# KiCad board omodri_laas.kicad_pcb
title: Open MOtor DRiver Initiative (OMODRI); date: 2022-11-24; rev: 2.0; company: LAAS/CNRS
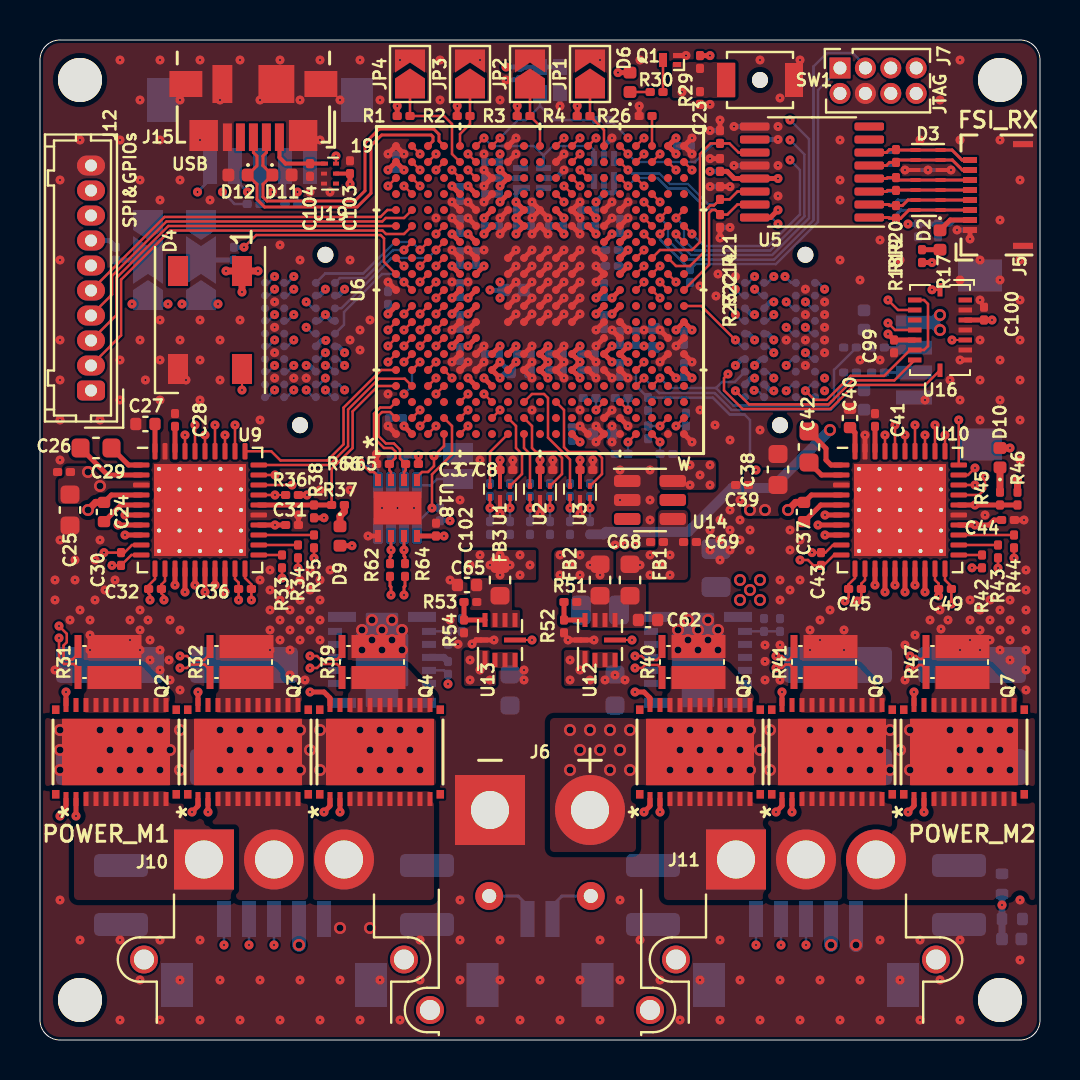
[diagram p0: board, top side]
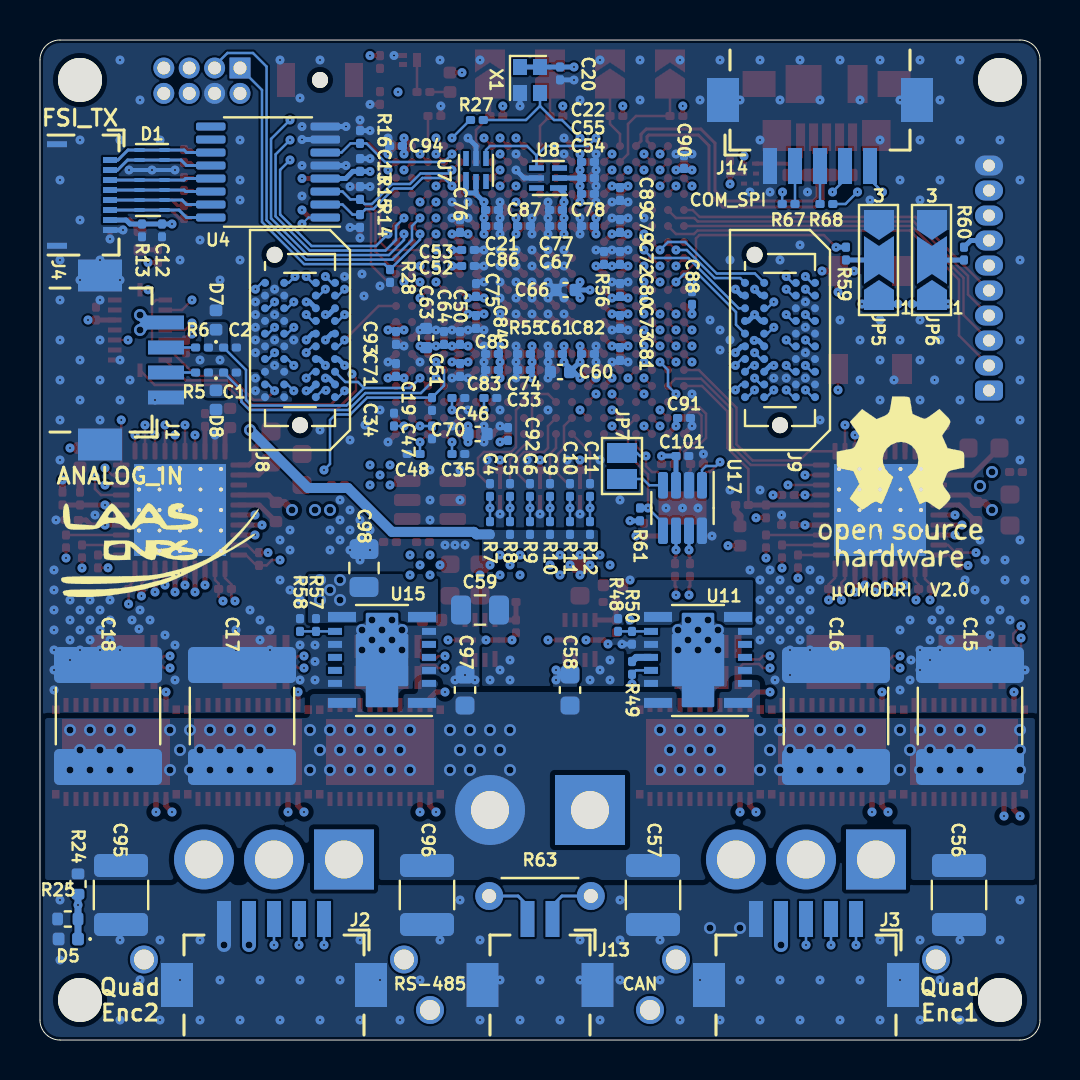
[diagram p1: board, bottom side, seen from below]

Outline 50 x 50 mm; copper layers: Top, In1_GND.Cu (plane), In2_sig.Cu, In3_sig.Cu, In4_PWR.Cu (plane), Bottom. Coordinates in mm from the lower left corner of the outline.
Outline path: 0,49 arc(0.29,49.71) 1,50 49,50 arc(49.71,49.71) 50,49 50,1 arc(49.71,0.29) 49,0 1,0 arc(0.29,0.29) 0,1 0,49
Stack: Top 0.035mm / dielectric 0.274mm FR4 er 4.5 / In1_GND.Cu 0.035mm / dielectric 0.274mm FR4 er 4.5 / In2_sig.Cu 0.035mm / dielectric 0.274mm FR4 er 4.5 / In3_sig.Cu 0.035mm / dielectric 0.274mm FR4 er 4.5 / In4_PWR.Cu 0.035mm / dielectric 0.274mm FR4 er 4.5 / Bottom 0.035mm

## Placement (name value [footprint] x y rotation side)
C1  220nF  [C_0201_0603Metric]  40.5 33.38 180 bottom
C2  220nF  [C_0201_0603Metric]  40.5 34.62 180 bottom
C3  100nF  [C_0201_0603Metric]  23.32 28.5 0 top
C4  1.8nF  [C_0201_0603Metric]  27.5 27.5 90 bottom
C5  1.8nF  [C_0201_0603Metric]  26.5 27.5 90 bottom
C6  1.8nF  [C_0201_0603Metric]  25.5 27.5 90 bottom
C7  100nF  [C_0201_0603Metric]  25.32 28.5 0 top
C8  100nF  [C_0201_0603Metric]  27.32 28.5 0 top
C9  1.8nF  [C_0201_0603Metric]  24.5 27.5 90 bottom
C10  1.8nF  [C_0201_0603Metric]  23.5 27.5 90 bottom
C11  1.8nF  [C_0201_0603Metric]  22.5 27.5 90 bottom
C12  100nF  [C_0201_0603Metric]  43.9 40.48 270 bottom
C13  100nF  [C_0201_0603Metric]  34 43.75 90 bottom
C14  100nF  [C_0201_0603Metric]  34 43.75 90 top
C15  22uF  [C_2220_5650Metric]  3.5 16.2 90 bottom
C16  22uF  [C_2220_5650Metric]  10.2 16.2 90 bottom
C17  22uF  [C_2220_5650Metric]  39.9 16.2 90 bottom
C18  22uF  [C_2220_5650Metric]  46.6 16.2 90 bottom
C19  100nF  [C_0201_0603Metric]  30.4 31.8 270 bottom
C20  100nF  [C_0201_0603Metric]  24 48.33 270 bottom
C21  100nF  [C_0201_0603Metric]  27.4 41.5 180 bottom
C22  100nF  [C_0201_0603Metric]  22.6 43.9 180 bottom
C23  100nF  [C_0201_0603Metric]  33 47.1 270 top
C24  1uF  [C_0402_1005Metric]  3.2 26.4 270 top
C25  10uF  [C_0603_1608Metric]  1.5 26.5 270 top
C26  100nF  [C_0201_0603Metric]  1.2 28.4 180 top
C27  1uF  [C_0402_1005Metric]  5.27 30.8 0 top
C28  1uF  [C_0201_0603Metric]  6.75 31 90 top
C29  47nF  [C_0603_1608Metric]  2.8 29.6 0 top
C30  1.8nF  [C_0201_0603Metric]  4.05 24.05 270 top
C31  100nF  [C_0201_0603Metric]  12.6 25.75 0 top
C32  1.8nF  [C_0201_0603Metric]  5.75 22.55 180 top
C33  1.8nF  [C_0201_0603Metric]  27.48 32.1 180 bottom
C34  1.8nF  [C_0201_0603Metric]  32.3 31.02 90 bottom
C35  1.8nF  [C_0201_0603Metric]  29.08 29.3 180 bottom
C36  1.8nF  [C_0201_0603Metric]  10.25 22.55 0 top
C37  1uF  [C_0402_1005Metric]  38.2 26.4 270 top
C38  10uF  [C_0603_1608Metric]  36.9 28.53 90 top
C39  100nF  [C_0201_0603Metric]  35.1 27.75 180 top
C40  1uF  [C_0402_1005Metric]  40.5 31.1 270 top
C41  1uF  [C_0201_0603Metric]  41.75 31 90 top
C42  47nF  [C_0603_1608Metric]  38.45 29.65 90 top
C43  1.8nF  [C_0201_0603Metric]  39.05 24.05 270 top
C44  100nF  [C_0201_0603Metric]  48.4 26 0 top
C45  1.8nF  [C_0201_0603Metric]  40.75 22.55 180 top
C46  1.8nF  [C_0201_0603Metric]  29.08 32.1 180 bottom
C47  1.8nF  [C_0201_0603Metric]  30.4 30.38 270 bottom
C48  1.8nF  [C_0201_0603Metric]  31.32 29.3 0 bottom
C49  1.8nF  [C_0201_0603Metric]  45.25 22.55 0 top
C50  100nF  [C_0201_0603Metric]  29 35.1 90 bottom
C51  100nF  [C_0201_0603Metric]  29 33.5 270 bottom
C52  100nF  [C_0201_0603Metric]  28.6 38.7 180 bottom
C53  100nF  [C_0201_0603Metric]  28.6 39.5 180 bottom
C54  100nF  [C_0201_0603Metric]  22.6 42.3 180 bottom
C55  100nF  [C_0201_0603Metric]  22.6 43.1 180 bottom
C56  10uF  [C_1210_3225Metric]  4.05 7.25 270 bottom
C57  10uF  [C_1210_3225Metric]  19.35 7.25 270 bottom
C58  100nF  [C_0603_1608Metric]  23.5 17.5 90 bottom
C59  22uF  [C_0805_2012Metric]  28 21.5 0 bottom
C60  10uF  [C_0402_1005Metric]  24 33.4 0 bottom
C61  1uF  [C_0201_0603Metric]  24.2 34.3 0 bottom
C62  10uF  [C_0402_1005Metric]  30.4 21 0 top
C63  10uF  [C_0402_1005Metric]  30.7 35.1 90 bottom
C64  1uF  [C_0201_0603Metric]  29.8 35.1 90 bottom
C65  10uF  [C_0402_1005Metric]  21.35 22.75 180 top
C66  10uF  [C_0402_1005Metric]  23.72 37.5 0 bottom
C67  1uF  [C_0201_0603Metric]  24.2 40.7 0 bottom
C68  1uF  [C_0201_0603Metric]  30.85 24.9 180 top
C69  100nF  [C_0201_0603Metric]  32.5 24.9 0 top
C70  10uF  [C_0402_1005Metric]  28.12 30.3 180 bottom
C71  1uF  [C_0201_0603Metric]  32.2 33.5 90 bottom
C72  100nF  [C_0201_0603Metric]  21 39.1 90 bottom
C73  100nF  [C_0201_0603Metric]  21 35.9 270 bottom
C74  100nF  [C_0201_0603Metric]  25.8 33.5 0 bottom
C75  100nF  [C_0201_0603Metric]  28.2 37.5 90 bottom
C76  100nF  [C_0201_0603Metric]  29 40.7 90 bottom
C77  100nF  [C_0201_0603Metric]  24.2 41.5 0 bottom
C78  100nF  [C_0201_0603Metric]  22.6 40.7 0 bottom
C79  100nF  [C_0201_0603Metric]  21 40.7 90 bottom
C80  100nF  [C_0201_0603Metric]  21 37.5 90 bottom
C81  100nF  [C_0201_0603Metric]  21 34.3 270 bottom
C82  100nF  [C_0201_0603Metric]  22.6 34.3 180 bottom
C83  100nF  [C_0201_0603Metric]  27.4 33.5 0 bottom
C84  100nF  [C_0201_0603Metric]  28.2 35.9 270 bottom
C85  100nF  [C_0201_0603Metric]  27.4 34.3 0 bottom
C86  100nF  [C_0201_0603Metric]  27.4 40.7 180 bottom
C87  100nF  [C_0201_0603Metric]  25.8 40.7 180 bottom
C88  100nF  [C_0201_0603Metric]  17.4 37.1 90 bottom
C89  100nF  [C_0201_0603Metric]  21 42.3 270 bottom
C90  100nF  [C_0201_0603Metric]  17.8 43.9 90 bottom
C91  100nF  [C_0201_0603Metric]  17.8 31.1 180 bottom
C92  100nF  [C_0201_0603Metric]  26.6 30.3 90 bottom
C93  100nF  [C_0201_0603Metric]  32.2 35.1 270 bottom
C94  100nF  [C_0201_0603Metric]  32.2 44.7 0 bottom
C95  10uF  [C_1210_3225Metric]  45.95 7.25 270 bottom
C96  10uF  [C_1210_3225Metric]  30.65 7.25 270 bottom
C97  100nF  [C_0603_1608Metric]  28.75 17.5 90 bottom
C98  22uF  [C_0805_2012Metric]  33.8 23.6 90 bottom
C99  100nF  [C_0201_0603Metric]  42.7 34.68 270 top
C100  100nF  [C_0201_0603Metric]  47.2 36.32 90 top
C101  100nF  [C_0201_0603Metric]  17.88 29.2 180 bottom
C102  100nF  [C_0201_0603Metric]  19.8 25.52 90 top
C103  100nF  [C_0201_0603Metric]  15.5 43.64 90 top
C104  100nF  [C_0201_0603Metric]  13.5 43.5 90 top
D1  TPD6E05U06  [USON_14]  44.4 43 0 bottom
D2  BAT54L  [D_0402_1005Metric]  45 40 270 top
D3  TPD6E05U06  [USON_14]  44.4 43 180 top
D4  WS2812B  [LED_WS2812B_PLCC4_5.0x5.0mm_P3.2mm]  8.5 36 270 top
D5  TPD1E04U04  [D_0402_1005Metric]  48.59 5.05 0 bottom
D6  LED GREEN  [LED_0402_1005Metric]  29.5 47.88 90 top
D7  TPD1E04U04  [D_0402_1005Metric]  41.2 36 90 bottom
D8  TPD1E04U04  [D_0402_1005Metric]  41.2 32 270 bottom
D9  LED RED  [LED_0402_1005Metric]  15 25.2 270 top
D10  LED RED  [LED_0402_1005Metric]  48 29.11 90 top
D11  ESD321  [D_0402_1005Metric]  12.1 43.25 0 top
D12  ESD321  [D_0402_1005Metric]  9.9 43.25 180 top
FB1  220R@100MHz  [L_0603_1608Metric]  28 23 90 top
FB2  220R@100MHz  [L_0603_1608Metric]  29.5 23 90 top
FB3  220R@100MHz  [L_0603_1608Metric]  23 23 90 top
G1  SYM_LAAS  [logo_laas]  43.95 24.83 180 bottom
G2  SYM_PROJECT  [logo_OpenHardware]  7 28 180 bottom
H1  MountingHole  [MountingHole_2.2mm_M2]  2 2 0 top
H2  MountingHole  [MountingHole_2.2mm_M2]  48 48 0 top
H3  MountingHole  [MountingHole_2.2mm_M2]  2 48 0 top
H4  MountingHole  [MountingHole_2.2mm_M2]  48 2 0 top
J1  conn_01x04_MountingPins  [Hirose_DF13_04P-1.25H_1x05_P1.25mm_Right_angle]  47 34 90 bottom
J2  conn_01x05_MountingPins  [Hirose_DF13_05P-1.25H_1x05_P1.25mm_Right_angle]  38.3 2.75 0 bottom
J3  conn_01x05_MountingPins  [Hirose_DF13_05P-1.25H_1x05_P1.25mm_Right_angle]  11.7 2.75 0 bottom
J4  conn_01x08_MountingPins  [Molex_FBH1_1x08-2MP_P0.50mm_Horizontal]  49.8 42.25 270 bottom
J5  conn_01x08_MountingPins  [Molex_FBH1_1x08-2MP_P0.50mm_Horizontal]  49.8 42.25 90 top
J6  Conn_01x02  [AMASS_XT30PW-M_1x02_P2.50mm_Horizontal]  25 11.5 180 top
J7  Conn_02x04_Odd_Even  [PinSocket_2x04_P1.27mm_Vertical]  40 48.6 90 top
J8  ADM6_ADF6  [ADF6-10-XX.X-XXX-4-X-A-XR]  37 35 90 bottom
J9  ADM6_ADF6  [ADF6-10-XX.X-XXX-4-X-A-XR]  13 35 90 bottom
J10  Conn_01x03  [AMASS_MR30PW-FB_1x03_P3.50mm_Horizontal]  11.7 9.03 180 top
J11  Conn_01x03  [AMASS_MR30PW-FB_1x03_P3.50mm_Horizontal]  38.3 9.03 180 top
J12  Conn_01x10  [Hirose_DF13-10P-1.25DSA_1x10_P1.25mm_Vertical]  2.55 32.47 90 top
J13  conn_01x02_MountingPins  [Hirose_DF13_02P-1.25H_1x02_P1.25mm_Right_angle]  25 2.75 0 bottom
J14  conn_01x05_MountingPins  [Hirose_DF13_05P-1.25H_1x05_P1.25mm_Right_angle]  11 47 180 bottom
J15  USB_B_Micro  [USB_Micro-B_Molex_47346-0001]  10.67 46.6 180 top
JP1  SolderJumper_2_Open  [SolderJumper-2_P1.3mm_Open_TrianglePad1.0x1.5mm]  27.5 48.3 90 top
JP2  SolderJumper_2_Open  [SolderJumper-2_P1.3mm_Open_TrianglePad1.0x1.5mm]  24.5 48.3 90 top
JP3  SolderJumper_2_Open  [SolderJumper-2_P1.3mm_Open_TrianglePad1.0x1.5mm]  21.5 48.3 90 top
JP4  SolderJumper_2_Open  [SolderJumper-2_P1.3mm_Open_TrianglePad1.0x1.5mm]  18.5 48.3 90 top
JP5  SolderJumper_3_Open  [SolderJumper-3_P2.0mm_Open_TrianglePad1.0x1.5mm_NumberLabels]  8.05 39 90 bottom
JP6  SolderJumper_3_Open  [SolderJumper-3_P2.0mm_Open_TrianglePad1.0x1.5mm_NumberLabels]  5.4 39 90 bottom
JP7  SolderJumper_2_Open  [SolderJumper-2_P1.3mm_Open_Pad1.0x1.5mm]  20.9 28.7 270 bottom
Q1  NX7002BKM  [Diodes_DFN1006-3]  31.5 49 180 top
Q2  CSD88599Q5DC  [VSON_CLIP_22]  3.8 14.4 90 top
Q3  CSD88599Q5DC  [VSON_CLIP_22]  10.4 14.4 90 top
Q4  CSD88599Q5DC  [VSON_CLIP_22]  17 14.4 90 top
Q5  CSD88599Q5DC  [VSON_CLIP_22]  33 14.4 90 top
Q6  CSD88599Q5DC  [VSON_CLIP_22]  39.6 14.4 90 top
Q7  CSD88599Q5DC  [VSON_CLIP_22]  46.2 14.4 90 top
R1  10k  [R_0201_0603Metric]  18.18 46.2 0 top
R2  10k  [R_0201_0603Metric]  21.18 46.2 0 top
R3  10k  [R_0201_0603Metric]  24.18 46.2 0 top
R4  10k  [R_0201_0603Metric]  27.18 46.2 0 top
R5  120  [R_0201_0603Metric]  41.9 33.38 0 bottom
R6  120  [R_0201_0603Metric]  41.9 34.62 0 bottom
R7  1k  [R_0201_0603Metric]  27.5 25.6 90 bottom
R8  1k  [R_0201_0603Metric]  26.5 25.6 90 bottom
R9  1k  [R_0201_0603Metric]  25.5 25.6 90 bottom
R10  1k  [R_0201_0603Metric]  24.5 25.6 90 bottom
R11  1k  [R_0201_0603Metric]  23.5 25.6 90 bottom
R12  1k  [R_0201_0603Metric]  22.5 25.6 90 bottom
R13  100k  [R_0201_0603Metric]  44.9 40.48 270 bottom
R14  10k  [R_0201_0603Metric]  34 40.95 90 bottom
R15  10k  [R_0201_0603Metric]  34 42.35 270 bottom
R16  10k  [R_0201_0603Metric]  34 45.15 270 bottom
R17  1k  [R_0201_0603Metric]  44.1 39.2 270 top
R18  100  [R_0201_0603Metric]  42.8 41.4 270 top
R19  100  [R_0201_0603Metric]  42.8 42.8 90 top
R20  100  [R_0201_0603Metric]  42.8 44.2 270 top
R21  10k  [R_0201_0603Metric]  34 45.15 270 top
R22  10k  [R_0201_0603Metric]  34 42.35 270 top
R23  10k  [R_0201_0603Metric]  34 40.95 90 top
R24  100k  [R_0402_1005Metric]  48.1 7.8 270 bottom
R25  5.1k  [R_0402_1005Metric]  48.61 6.05 0 bottom
R26  10k  [R_0201_0603Metric]  30.28 46.2 180 top
R27  120  [R_0201_0603Metric]  28.16 46 0 bottom
R28  10k  [R_0201_0603Metric]  32.5 38.2 270 bottom
R29  10k  [R_0201_0603Metric]  33 48.9 270 top
R30  120  [R_0201_0603Metric]  30.83 47.4 0 top
R31  0.005  [FC4L32]  3.4 18.9 90 top
R32  0.005  [FC4L32]  10 18.9 90 top
R33  120  [R_0201_0603Metric]  12.1 23.93 90 top
R34  120  [R_0201_0603Metric]  12.9 24.43 90 top
R35  120  [R_0201_0603Metric]  13.7 24.93 90 top
R36  10k  [R_0201_0603Metric]  12.6 27.25 0 top
R37  1k  [R_0201_0603Metric]  14.9 26.75 0 top
R38  10k  [R_0201_0603Metric]  13.7 26.43 270 top
R39  0.005  [FC4L32]  16.6 18.9 90 top
R40  0.005  [FC4L32]  32.6 18.9 90 top
R41  0.005  [FC4L32]  39.2 18.9 90 top
R42  120  [R_0201_0603Metric]  47.1 23.93 90 top
R43  120  [R_0201_0603Metric]  47.9 24.43 90 top
R44  120  [R_0201_0603Metric]  48.7 24.93 90 top
R45  1k  [R_0201_0603Metric]  48 27.07 90 top
R46  10k  [R_0201_0603Metric]  48.88 27.07 90 top
R47  0.005  [FC4L32]  45.8 18.9 90 top
R48  10k  [R_0201_0603Metric]  21.1 20.75 270 bottom
R49  100k  [R_0201_0603Metric]  20.4 18.61 90 bottom
R50  2.49k  [R_0201_0603Metric]  20.4 20.11 90 bottom
R51  100k  [R_0201_0603Metric]  26.52 21.9 180 top
R52  22.1k  [R_0201_0603Metric]  26.2 20.68 270 top
R53  100k  [R_0201_0603Metric]  21.52 21.9 180 top
R54  100k  [R_0201_0603Metric]  21.2 20.68 270 top
R55  120  [R_0201_0603Metric]  25.8 34.3 0 bottom
R56  120  [R_0201_0603Metric]  21.8 39.1 90 bottom
R57  10k  [R_0201_0603Metric]  36.2 20.75 270 bottom
R58  909  [R_0201_0603Metric]  37 20.75 270 bottom
R59  10k  [R_0201_0603Metric]  9.7 39.32 90 bottom
R60  10k  [R_0201_0603Metric]  3.8 39.32 90 bottom
R61  10k  [R_0201_0603Metric]  20 26.28 90 bottom
R62  10  [R_0201_0603Metric]  17.5 23.5 270 top
R63  120  [R_Axial_DIN0204_L3.6mm_D1.6mm_P5.08mm_Horizontal]  22.46 7.2 0 bottom
R64  10  [R_0201_0603Metric]  18.25 23.5 270 top
R65  10k  [R_0201_0603Metric]  18.6 28.8 180 top
R66  10k  [R_0201_0603Metric]  17.15 28.8 0 top
R67  10  [R_0201_0603Metric]  12.57 41.8 0 bottom
R68  10  [R_0201_0603Metric]  10.68 41.8 180 bottom
SW1  B3U-3100P-B  [SW_SPST_B3U-1000P-B]  36 48 180 top
U1  74LVC2G17  [SOT886_USON_6_1.45x1.0mm_P0.5mm]  23 27.4 90 top
U2  74LVC2G17  [SOT886_USON_6_1.45x1.0mm_P0.5mm]  25 27.4 90 top
U3  74LVC2G17  [SOT886_USON_6_1.45x1.0mm_P0.5mm]  27 27.4 90 top
U4  DSLVDS1047  [TSSOP-16_4.4x5mm_P0.65mm]  38.6 43.4 0 bottom
U5  DSLVDS1048  [TSSOP-16_4.4x5mm_P0.65mm]  38.6 43.4 180 top
U6  TMS320F28388D  [NFBGA_337]  25 37.5 90 top
U7  TPS3703-3.3  [WSON-6_1.5x1.5mm_P0.5mm]  28.2 43.5 90 bottom
U8  TPS3703-1.2  [WSON-6_1.5x1.5mm_P0.5mm]  24.6 43.1 0 bottom
U9  DRV8353S  [QFN-40-1EP_6x6mm_P0.5mm_EP4.6x4.6mm_ThermalVias]  8 26.5 0 top
U10  DRV8353S  [QFN-40-1EP_6x6mm_P0.5mm_EP4.6x4.6mm_ThermalVias]  43 26.5 0 top
U11  TPSM5601R5  [B3QFN_15]  17.1 19 0 bottom
U12  MPM3804GG  [QFN-10_2x2mm_P0.5mm]  28 20 90 top
U13  MPM3804GG  [QFN-10_2x2mm_P0.5mm]  23 20 90 top
U14  LT6654AIS6-3  [TSOT-23-6]  30.5 27 0 top
U15  TPSM560R6H  [B3QFN_15]  32.9 19 0 bottom
U16  BMI088  [Bosch_LGA-16_4.5x3.0mm_P0.5mm]  45 35.5 0 top
U17  TCAN330G  [TSOT-23-8]  17.88 26.6 270 bottom
U18  THVD24x0  [VSON-8-1EP_3.0x3.0mm_P0.65mm_EP1.65x2.4mm]  17.88 26.6 270 top
U19  74LVC2G17  [SOT886_USON_6_1.45x1.0mm_P0.5mm]  14.5 43.32 0 top
X1  ECS-TXO-2016  [TCXO_SMD_Ecs_TXO-2016-4Pin_2.0x1.6mm]  25.5 48 270 bottom

## Library data of the parts
C1 C2 = -: DigiKey: 490-GRM033R61C224KE14JTR-ND; Farnell: 3785715; Mouser: 81-GRM033R61C224KE4J; Part No: GRM033R61C224KE14J; Rated Voltage: 16V
C3 C7 C8 C12-C14 C19-C23 C26 C31 C39 C44 C50-C55 C69 C72-C94 C99-C104 = -: DigiKey: 490-14571-1-ND; Farnell: 3790414; Mouser: 81-GRM033R61E104KE4J; Part No: GRM033R61E104KE14J; RS: 185-2066; Rated Voltage: 25V
C4-C6 C9-C11 C30 C32-C36 C43 C45-C49 = -: DigiKey: 490-GRM033R71E182KA12DTR-ND; Farnell: 2999522; Mouser: 81-GRM033R71E182KA2D; Part No: GRM033R71E182KA12D; Rated Voltage: 25V
C15-C18 = -: DigiKey: 445-C5750X7S2A226M280KBCT-ND; Farnell: 3416277; Mouser: 810-C5750X7S2A226280; Part No: C5750X7S2A226M280KB; Rated Voltage: 100V
C24 C27 C37 C40 = -: DigiKey: 445-175218-1-ND; Farnell: 3416060; Mouser: 810-C1005X5R1V105KE; Part No: C1005X5R1V105K050BE; Rated Voltage: 35V
C25 C38 = -: DigiKey: 490-7202-2-ND; Farnell: 2695906; Mouser: 81-GRM188R61E106MA3D; Part No: GRM188R61E106MA73D; RS: 815-1377; Rated Voltage: 25V
C28 C41 C61 C64 C67 C68 C71 = -: DigiKey: 490-13219-1-ND; Farnell: 3238032; Mouser: 81-GRM033C81A105ME5D; Part No: GRM033C81A105ME05D; Rated Voltage: 10V
C29 C42 = -: DigiKey: 445-6032-1-ND; Farnell: 2906791; Mouser: 810-C1608X7S2A473K; Part No: C1608X7S2A473K080AB; Rated Voltage: 100V
C56 C57 C95 C96 = -: DigiKey: 445-C3225X7R1N106K250ACCT-ND; Farnell: 3416259; Mouser: 810-C3225X7R1N106K25; Part No: C3225X7R1N106K250AC; Rated Voltage: 75V
C58 C97 = -: DigiKey: 490-3285-1-ND; Farnell: 1828921; Mouser: 81-GRM188R72A104KA35; Part No: GRM188R72A104KA35D; Rated Voltage: 100V
C59 C98 = -: DigiKey: 490-10749-2-ND; Farnell: 1907510; Mouser: 81-GRM21BR61E226ME4L; Part No: GRM21BR61E226ME44L; RS: 247-8112; Rated Voltage: 25V
C60 C62 C63 C65 C66 C70 = -: DigiKey: 490-13238-2-ND; Farnell: 3582794; Mouser: 81-GRM155R60J106ME5D; Part No: GRM155R60J106ME15D; Rated Voltage: 6.3V
D1 D3 = -: DigiKey: 296-39349-1-ND; Mouser: 595-TPD6E05U06RVZR; Part No: TPD6E05U06RVZR
D2 = -: DigiKey: 2156-BAT54L,315-954-ND; Farnell: 2438976; Mouser: 771-BAT54L-T/R; Part No: BAT54L,315
D4 = -: DigiKey: 1568-COM-16347CT-ND; Mouser: 474-COM-16346; Part No: WS2812B 5050
D5 D7 D8 = -: DigiKey: 296-47862-1-ND; Mouser: 595-TPD1E04U04DPLT; Part No: TPD1E04U04DPLT
D6 = -: DigiKey: 516-3066-1-ND; Farnell: 2494322; Mouser: 630-HSMG-C280; Part No: HSMG-C280; RS: 867-6560
D9 D10 = -: DigiKey: 516-3060-1-ND; Farnell: 2494321; Mouser: 630-HSMC-C280; Part No: HSMC-C280
D11 D12 = -: DigiKey: 296-51108-1-ND; Mouser: 595-ESD321DPYR; Part No: ESD321DPYR
FB1-FB3 = -: DigiKey: 490-5225-1-ND; Farnell: 1515753; Mouser: 81-BLM18SG221TN1D; Part No: BLM18SG221TN1D; RS: 792-6271
J1 = -: DigiKey: H126400-ND; Farnell: 2916344; Mouser: 798-DF13-4P-1.25H76; Part No: DF13-4P-1.25H(76); RS: 188-6267
J2 J3 J14 = -: DigiKey: H126405-ND; Farnell: 3019728; Mouser: 798-DF13-5P-1.25H76; Part No: DF13-5P-1.25H(76); RS: 188-6306
J4 J5 = -: DigiKey: WM1388TR-ND; Farnell: 2396218; Mouser: 538-503480-0800; Part No: 5034800800; RS: 896-7614
J7 = -: DigiKey: 609-3753-ND; Farnell: 2892503; Mouser: 649-221311-00008T4LF; Part No: 20021311-00008T4LF
J8 J9 = -: DigiKey: 612-ADF6-10-03.5-L-4-2-A-TR-ND; Farnell: 3462763; Mouser: 200-ADF6-10-3.5-L42A; Part No: ADF6-10-03.5-L-4-2-A; RS: 202-7885
J12 = -: DigiKey: H2198-ND; Mouser: 798-DF13-10P-1.25DSA; Part No: DF13-10P-1.25DSA; RS: 188-6354
J13 = -: DigiKey: H126390-ND; Mouser: 798-DF13-2P-1.25H76; Part No: DF13-2P-1.25H(76); RS: 188-5752
J15 = -: DigiKey: WM17141CT-ND; Farnell: 1568026; Mouser: 538-47346-0001; Part No: 473460001; RS: 702-5475
Q1 = -: DigiKey: 1727-2232-1-ND; Farnell: 2498574; Mouser: 771-NX7002BKMYL; Part No: NX7002BKMYL
Q2-Q7 = -: DigiKey: 296-48289-1-ND; Farnell: 2766880; Mouser: 595-CSD88599Q5DC
R1-R4 R14-R16 R21-R23 R26 R28 R29 R36 R38 R46 R48 R57 R59-R61 R65 R66 = -: DigiKey: P122414CT-ND; Farnell: 2302362; Mouser: 667-ERJ-1GNF1002C; Part No: ERJ-1GNF1002C; RS: 176-3597
R5 R6 R27 R30 R33-R35 R42-R44 R55 R56 R63 = -: DigiKey: P122692CT-ND; Farnell: 2396857; Mouser: 667-ERJ-1GNF1200C; Part No: ERJ-1GNF1200C
R7-R12 R17 R37 R45 = -: DigiKey: P122413CT-ND; Farnell: 2302336; Mouser: 667-ERJ-1GNF1001C; Part No: ERJ-1GNF1001C; RS: 179-7127
R13 R49 R51 R53 R54 = -: DigiKey: P122655CT-ND; Farnell: 2302389; Mouser: 667-ERJ-1GNF1003C; Part No: ERJ-1GNF1003C; RS: 179-7130
R18-R20 = -: DigiKey: P122654CT-ND; Farnell: 2302309; Mouser: 667-ERJ-1GNF1000C; Part No: ERJ-1GNF1000C; RS: 179-7123
R24 = -: DigiKey: P100KLCT-ND; Farnell: 2302839; Mouser: 667-ERJ-2RKF1003X; Part No: ERJ-2RKF1003X; RS: 732-5255; Rated Voltage: 50
R25 = -: DigiKey: P5.10KLCT-ND; Farnell: 2302709; Mouser: 667-ERJ-2RKF5101X; Part No: ERJ-2RKF5101X; RS: 732-5536; Rated Voltage: 50
R31 R32 R39-R41 R47 = -: DigiKey: FC4L32R005FER-ND; Farnell: 2420555; Mouser: 588-FC4L32R005FER; Part No: FC4L32R005FER; RS: 126-0360
R50 = -: DigiKey: P122865TR-ND; Farnell: 3335222; Mouser: 667-ERJ-1GNF2491C; Part No: ERJ-1GNF2491C
R52 = -: DigiKey: P122837CT-ND; Farnell: 3335196; Mouser: 667-ERJ-1GNF2212C; Part No: ERJ-1GNF2212C
R58 = -: DigiKey: P123194TR-ND; Farnell: 3303125; Mouser: 667-ERJ-1GNF9090C; Part No: ERJ-1GNF9090C
R62 R64 R67 R68 = -: DigiKey: P122669TR-ND; Farnell: 2302282; Mouser: 667-ERJ-1GNF10R0C; Part No: ERJ-1GNF10R0C; RS: 179-7137
SW1 = -: DigiKey: SW1143TR-ND; Farnell: 1333654; Mouser: 653-B3U-1000P-B; Part No: B3U-1000P-B
U1-U3 U19 = -: DigiKey: 1727-7017-2-ND; Mouser: 771-LVC2G17GM115; Part No: 74LVC2G17GM,115
U4 = -: DigiKey: 296-50740-1-ND; Mouser: 595-DSLVDS1047PWR; Part No: DSLVDS1047PWR
U5 = -: DigiKey: 296-51106-1-ND; Mouser: 595-DSLVDS1048PWR; Part No: DSLVDS1048PWR
U6 = -: DigiKey: 296-F28388DZWTS-ND; Mouser: 595-F28388DZWTS; Part No: F28388DZWTS
U7 = -: DigiKey: 296-TPS3703A7330DSERQ1CT-ND; Mouser: 595-S3703A7330DSERQ1; Part No: TPS3703A7330DSERQ1
U8 = -: DigiKey: 296-TPS3703A7120DSERQ1CT-ND; Mouser: 595-S3703A7120DSERQ1; Part No: TPS3703A7120DSERQ1
U9 U10 = -: DigiKey: 296-DRV8353SRTATCT-ND; Mouser: 595-DRV8353SRTAT; Part No: DRV8353SRTAT
U11 = -: DigiKey: 296-TPSM5601R5RDARTR-ND; Mouser: 595-TPSM5601R5SRDAR; Part No: TPSM5601R5RDAR
U12 U13 = -: DigiKey: 1589-1982-1-ND; Farnell: 3358188; Mouser: 946-MPM3804GG-Z
U14 = -: DigiKey: LT6654AIS6-3#TRMPBFCT-ND; Farnell: 2761957; Mouser: 584-6654AIS63TRMPBF; Part No: LT6654AIS6-3#TRMPBF
U15 = -: DigiKey: 296-TPSM560R6HRDARTR-ND; Mouser: 595-TPSM560R6HRDAR; Part No: TPSM560R6HRDAR
U16 = -: DigiKey: 828-1082-2-ND; Mouser: 262-BMI088
U17 = -: DigiKey: 296-TCAN330GDCNRTR-ND; Farnell: 3009407; Mouser: 595-TCAN330GDCNR; Part No: TCAN330GDCNR
U18 = -: DigiKey: 296-THVD2450DRBRTR-ND; Mouser: 595-THVD2450DRBR; Part No: THVD2450DRBR
X1 = -: DigiKey: XC3163TR-ND; Farnell: 4059413; Mouser: 520-TXO-2016-33-250T; Part No: ECS-TXO-2016-33-250-TR

## Footprints (pads in the part's own frame, mm; a bottom-side part is the same pattern mirrored in y, then rotated)
ADF6-10-XX.X-XXX-4-X-A-XR
  round 0.8 hole 0.8 unplated: (-4.26,0) (4.26,1.27)
  round 0.4 smd: A01(2.857,-1.75) A02(2.223,-1.75) A03(1.587,-1.75) A04(0.953,-1.75) A05(0.318,-1.75) A06(-0.318,-1.75) A07(-0.953,-1.75) A08(-1.587,-1.75) A09(-2.223,-1.75) A10(-2.857,-1.75) B01(2.857,-0.79) B02(2.223,-0.79) B03(1.587,-0.79) B04(0.953,-0.79) B05(0.318,-0.79) B06(-0.318,-0.79) B07(-0.953,-0.79) B08(-1.587,-0.79) B09(-2.223,-0.79) B10(-2.857,-0.79) C01(2.857,0.79) C02(2.223,0.79) C03(1.587,0.79) C04(0.953,0.79) C05(0.318,0.79) C06(-0.318,0.79) C07(-0.953,0.79) C08(-1.587,0.79) C09(-2.223,0.79) C10(-2.857,0.79) D01(2.857,1.75) D02(2.223,1.75) D03(1.587,1.75) D04(0.953,1.75) D05(0.318,1.75) D06(-0.318,1.75) D07(-0.953,1.75) D08(-1.587,1.75) D09(-2.223,1.75) D10(-2.857,1.75)
AMASS_MR30PW-FB_1x03_P3.50mm_Horizontal
  round 1.4 hole 1: (-6.5,5) (6.5,5)
  rect 3x3 hole 1.9: 1(3.5,0)
  round 3 hole 1.9: 2(0,0) 3(-3.5,0)
AMASS_XT30PW-M_1x02_P2.50mm_Horizontal
  round 1.4 hole 1: (-5.5,10) (5.5,10)
  rect 3.5x3.5 hole 1.9: 1(2.5,0)
  round 3.5 hole 1.9: 2(-2.5,0)
B3QFN_15
  rect 1.4x0.5 smd: 1(-2,2.145) 7(-2,-2.155) 8(2,-2.155) 14(2,2.145)
  rect 0.7x0.35 smd: 2(-2.35,1.17) 3(-2.35,0.52) 4(-2.35,-0.13) 5(-2.35,-0.78) 6(-2.35,-1.43) 9(2.35,-1.43) 10(2.35,-0.78) 11(2.35,-0.13) 12(2.35,0.52) 13(2.35,1.17)
  custom 2.62x4.72 smd: 15(0,0)
Bosch_LGA-16_4.5x3.0mm_P0.5mm
  rect 0.675x0.25 smd: 1(1.262,1.5) 2(1.262,1) 3(1.262,0.5) 4(1.262,0) 5(1.262,-0.5) 6(1.262,-1) 7(1.262,-1.5) 9(-1.262,-1.5) 10(-1.262,-1) 11(-1.262,-0.5) 12(-1.262,0) 13(-1.262,0.5) 14(-1.262,1) 15(-1.262,1.5)
  rect 0.25x0.675 smd: 8(0,-2.013) 16(0,2.013)
C_0201_0603Metric
  rrect 0.318x0.36 smd: (-0.345,0) (0.345,0)
  rrect 0.46x0.4 smd: 1(-0.32,0) 2(0.32,0)
C_0402_1005Metric
  rrect 0.56x0.62 smd: 1(-0.48,0) 2(0.48,0)
C_0603_1608Metric
  rrect 0.9x0.95 smd: 1(-0.775,0) 2(0.775,0)
C_0805_2012Metric
  rrect 1x1.45 smd: 1(-0.95,0) 2(0.95,0)
C_1210_3225Metric
  rrect 1.15x2.7 smd: 1(-1.475,0) 2(1.475,0)
C_2220_5650Metric
  rrect 1.8x5.4 smd: 1(-2.55,0) 2(2.55,0)
D_0402_1005Metric
  rrect 0.59x0.64 smd: 1(-0.485,0) 2(0.485,0)
Diodes_DFN1006-3
  rect 0.4x0.25 smd: 1(-0.35,0.225) 2(-0.35,-0.225)
  rect 0.4x0.7 smd: 3(0.35,0)
FC4L32
  rect 1.15x2.7 smd: 1(-0.775,-0.325) 4(0.775,-0.325)
  rect 1.15x0.35 smd: 2(-0.775,1.5) 3(0.775,1.5)
Hirose_DF13-10P-1.25DSA_1x10_P1.25mm_Vertical
  rrect 1x1.4 hole 0.6: 1(0,0)
  oval 1x1.4 hole 0.6: 2(1.25,0) 3(2.5,0) 4(3.75,0) 5(5,0) 6(6.25,0) 7(7.5,0) 8(8.75,0) 9(10,0) 10(11.25,0)
Hirose_DF13_02P-1.25H_1x02_P1.25mm_Right_angle
  rect 0.7x1.8 smd: 1(-0.625,-3.3) 2(0.625,-3.3)
  rect 1.6x2.2 smd: MP1(-2.875,0) MP2(2.875,0)
Hirose_DF13_04P-1.25H_1x05_P1.25mm_Right_angle
  rect 0.7x1.8 smd: 1(-1.875,-3.3) 2(-0.625,-3.3) 3(0.625,-3.3) 4(1.875,-3.3)
  rect 1.6x2.2 smd: MP1(-4.225,0) MP2(4.225,0)
Hirose_DF13_05P-1.25H_1x05_P1.25mm_Right_angle
  rect 0.7x1.8 smd: 1(-2.5,-3.3) 2(-1.25,-3.3) 3(0,-3.3) 4(1.25,-3.3) 5(2.5,-3.3)
  rect 1.6x2.2 smd: MP1(-4.85,0) MP2(4.85,0)
L_0603_1608Metric
  rrect 0.875x0.95 smd: 1(-0.787,0) 2(0.787,0)
LED_0402_1005Metric
  rrect 0.59x0.64 smd: 1(-0.485,0) 2(0.485,0)
LED_WS2812B_PLCC4_5.0x5.0mm_P3.2mm
  rect 1.5x1 smd: 1(-2.45,1.6) 2(-2.45,-1.6) 3(2.45,-1.6) 4(2.45,1.6)
Molex_FBH1_1x08-2MP_P0.50mm_Horizontal
  rect 0.3x0.7 smd: 1(-1.75,3.3) 2(-1.25,3.3) 3(-0.75,3.3) 4(-0.25,3.3) 5(0.25,3.3) 6(0.75,3.3) 7(1.25,3.3) 8(1.75,3.3)
  rect 0.3x1 smd: MP1(-2.54,0.65) MP2(2.54,0.65)
MountingHole_2.2mm_M2
  round 2.2 hole 2.2 unplated: (0,0)
NFBGA_337
  round 0.4 smd: A1(-7.2,7.2) A2(-6.4,7.2) A3(-5.6,7.2) A4(-4.8,7.2) A5(-4,7.2) A6(-3.2,7.2) A7(-2.4,7.2) A8(-1.6,7.2) A9(-0.8,7.2) A10(0,7.2) A11(0.8,7.2) A12(1.6,7.2) A13(2.4,7.2) A14(3.2,7.2) A15(4,7.2) A16(4.8,7.2) A17(5.6,7.2) A18(6.4,7.2) A19(7.2,7.2) B1(-7.2,6.4) B2(-6.4,6.4) B3(-5.6,6.4) B4(-4.8,6.4) B5(-4,6.4) B6(-3.2,6.4) B7(-2.4,6.4) B8(-1.6,6.4) B9(-0.8,6.4) B10(0,6.4) B11(0.8,6.4) B12(1.6,6.4) B13(2.4,6.4) B14(3.2,6.4) B15(4,6.4) B16(4.8,6.4) B17(5.6,6.4) B18(6.4,6.4) B19(7.2,6.4) C1(-7.2,5.6) C2(-6.4,5.6) C3(-5.6,5.6) C4(-4.8,5.6) C5(-4,5.6) C6(-3.2,5.6) C7(-2.4,5.6) C8(-1.6,5.6) C9(-0.8,5.6) C10(0,5.6) C11(0.8,5.6) C12(1.6,5.6) C13(2.4,5.6) C14(3.2,5.6) C15(4,5.6) C16(4.8,5.6) C17(5.6,5.6) C18(6.4,5.6) C19(7.2,5.6) D1(-7.2,4.8) D2(-6.4,4.8) D3(-5.6,4.8) D4(-4.8,4.8) D5(-4,4.8) D6(-3.2,4.8) D7(-2.4,4.8) D8(-1.6,4.8) D9(-0.8,4.8) D10(0,4.8) D11(0.8,4.8) D12(1.6,4.8) D13(2.4,4.8) D14(3.2,4.8) D15(4,4.8) D16(4.8,4.8) D17(5.6,4.8) D18(6.4,4.8) D19(7.2,4.8) E1(-7.2,4) E2(-6.4,4) E3(-5.6,4) E4(-4.8,4) E5(-4,4) E6(-3.2,4) E7(-2.4,4) E8(-1.6,4) E9(-0.8,4) E10(0,4) E11(0.8,4) E12(1.6,4) E13(2.4,4) E14(3.2,4) E15(4,4) E16(4.8,4) E17(5.6,4) E18(6.4,4) E19(7.2,4) F1(-7.2,3.2) F2(-6.4,3.2) F3(-5.6,3.2) F4(-4.8,3.2) F5(-4,3.2) F6(-3.2,3.2) F7(-2.4,3.2) F8(-1.6,3.2) F9(-0.8,3.2) F10(0,3.2) F11(0.8,3.2) F12(1.6,3.2) F13(2.4,3.2) F14(3.2,3.2) F15(4,3.2) F16(4.8,3.2) F17(5.6,3.2) F18(6.4,3.2) F19(7.2,3.2) G1(-7.2,2.4) G2(-6.4,2.4) G3(-5.6,2.4) G4(-4.8,2.4) G5(-4,2.4) G6(-3.2,2.4) G14(3.2,2.4) G15(4,2.4) G16(4.8,2.4) G17(5.6,2.4) G18(6.4,2.4) G19(7.2,2.4) H1(-7.2,1.6) H2(-6.4,1.6) H3(-5.6,1.6) H4(-4.8,1.6) H5(-4,1.6) H6(-3.2,1.6) H8(-1.6,1.6) H9(-0.8,1.6) H10(0,1.6) H11(0.8,1.6) H12(1.6,1.6) H14(3.2,1.6) H15(4,1.6) H16(4.8,1.6) H17(5.6,1.6) H18(6.4,1.6) H19(7.2,1.6) J1(-7.2,0.8) J2(-6.4,0.8) J3(-5.6,0.8) J4(-4.8,0.8) J5(-4,0.8) J6(-3.2,0.8) J8(-1.6,0.8) J9(-0.8,0.8) J10(0,0.8) J11(0.8,0.8) J12(1.6,0.8) J14(3.2,0.8) J15(4,0.8) J16(4.8,0.8) J17(5.6,0.8) J18(6.4,0.8) J19(7.2,0.8) K1(-7.2,0) K2(-6.4,0) K3(-5.6,0) K4(-4.8,0) K5(-4,0) K6(-3.2,0) K8(-1.6,0) K9(-0.8,0) K10(0,0) K11(0.8,0) K12(1.6,0) K14(3.2,0) K15(4,0) K16(4.8,0) K17(5.6,0) K18(6.4,0) K19(7.2,0) L1(-7.2,-0.8) L2(-6.4,-0.8) L3(-5.6,-0.8) L4(-4.8,-0.8) L5(-4,-0.8) L6(-3.2,-0.8) L8(-1.6,-0.8) L9(-0.8,-0.8) L10(0,-0.8) L11(0.8,-0.8) L12(1.6,-0.8) L14(3.2,-0.8) L15(4,-0.8) L16(4.8,-0.8) L17(5.6,-0.8) L18(6.4,-0.8) L19(7.2,-0.8) M1(-7.2,-1.6) M2(-6.4,-1.6) M3(-5.6,-1.6) M4(-4.8,-1.6) M5(-4,-1.6) M6(-3.2,-1.6) M8(-1.6,-1.6) M9(-0.8,-1.6) M10(0,-1.6) M11(0.8,-1.6) M12(1.6,-1.6) M14(3.2,-1.6) M15(4,-1.6) M16(4.8,-1.6) M17(5.6,-1.6) M18(6.4,-1.6) M19(7.2,-1.6) N1(-7.2,-2.4) N2(-6.4,-2.4) N3(-5.6,-2.4) N4(-4.8,-2.4) N5(-4,-2.4) N6(-3.2,-2.4) N14(3.2,-2.4) N15(4,-2.4) N16(4.8,-2.4) N17(5.6,-2.4) N18(6.4,-2.4) N19(7.2,-2.4) P1(-7.2,-3.2) P2(-6.4,-3.2) P3(-5.6,-3.2) P4(-4.8,-3.2) P5(-4,-3.2) P6(-3.2,-3.2) P7(-2.4,-3.2) P8(-1.6,-3.2) P9(-0.8,-3.2) P10(0,-3.2) P11(0.8,-3.2) P12(1.6,-3.2) P13(2.4,-3.2) P14(3.2,-3.2) P15(4,-3.2) P16(4.8,-3.2) P17(5.6,-3.2) P18(6.4,-3.2) P19(7.2,-3.2) R1(-7.2,-4) R2(-6.4,-4) R3(-5.6,-4) R4(-4.8,-4) R5(-4,-4) R6(-3.2,-4) R7(-2.4,-4) R8(-1.6,-4) R9(-0.8,-4) R10(0,-4) R11(0.8,-4) R12(1.6,-4) R13(2.4,-4) R14(3.2,-4) R15(4,-4) R16(4.8,-4) R17(5.6,-4) R18(6.4,-4) R19(7.2,-4) T1(-7.2,-4.8) T2(-6.4,-4.8) T3(-5.6,-4.8) T4(-4.8,-4.8) T5(-4,-4.8) T6(-3.2,-4.8) T7(-2.4,-4.8) T8(-1.6,-4.8) T9(-0.8,-4.8) T10(0,-4.8) T11(0.8,-4.8) T12(1.6,-4.8) T13(2.4,-4.8) T14(3.2,-4.8) T15(4,-4.8) T16(4.8,-4.8) T17(5.6,-4.8) T18(6.4,-4.8) T19(7.2,-4.8) U1(-7.2,-5.6) U2(-6.4,-5.6) U3(-5.6,-5.6) U4(-4.8,-5.6) U5(-4,-5.6) U6(-3.2,-5.6) U7(-2.4,-5.6) U8(-1.6,-5.6) U9(-0.8,-5.6) U10(0,-5.6) U11(0.8,-5.6) U12(1.6,-5.6) U13(2.4,-5.6) U14(3.2,-5.6) U15(4,-5.6) U16(4.8,-5.6) U17(5.6,-5.6) U18(6.4,-5.6) U19(7.2,-5.6) V1(-7.2,-6.4) V2(-6.4,-6.4) V3(-5.6,-6.4) V4(-4.8,-6.4) V5(-4,-6.4) V6(-3.2,-6.4) V7(-2.4,-6.4) V8(-1.6,-6.4) V9(-0.8,-6.4) V10(0,-6.4) V11(0.8,-6.4) V12(1.6,-6.4) V13(2.4,-6.4) V14(3.2,-6.4) V15(4,-6.4) V16(4.8,-6.4) V17(5.6,-6.4) V18(6.4,-6.4) V19(7.2,-6.4) W1(-7.2,-7.2) W2(-6.4,-7.2) W3(-5.6,-7.2) W4(-4.8,-7.2) W5(-4,-7.2) W6(-3.2,-7.2) W7(-2.4,-7.2) W8(-1.6,-7.2) W9(-0.8,-7.2) W10(0,-7.2) W11(0.8,-7.2) W12(1.6,-7.2) W13(2.4,-7.2) W14(3.2,-7.2) W15(4,-7.2) W16(4.8,-7.2) W17(5.6,-7.2) W18(6.4,-7.2) W19(7.2,-7.2)